# Altium PCB STC12C5A60S2_led流水灯.PcbDoc (part 1 of 2)
Units mm, origin at the board's own origin, x right, y up, seen from the top; angles counter-clockwise.
Board outline 98.73 x 79.17 mm, 2 copper layers (Top Layer, Bottom Layer); 224 components, 229 nets, 714 pads, 174 vias.
Unrouted connection lines stored in the file: 28.
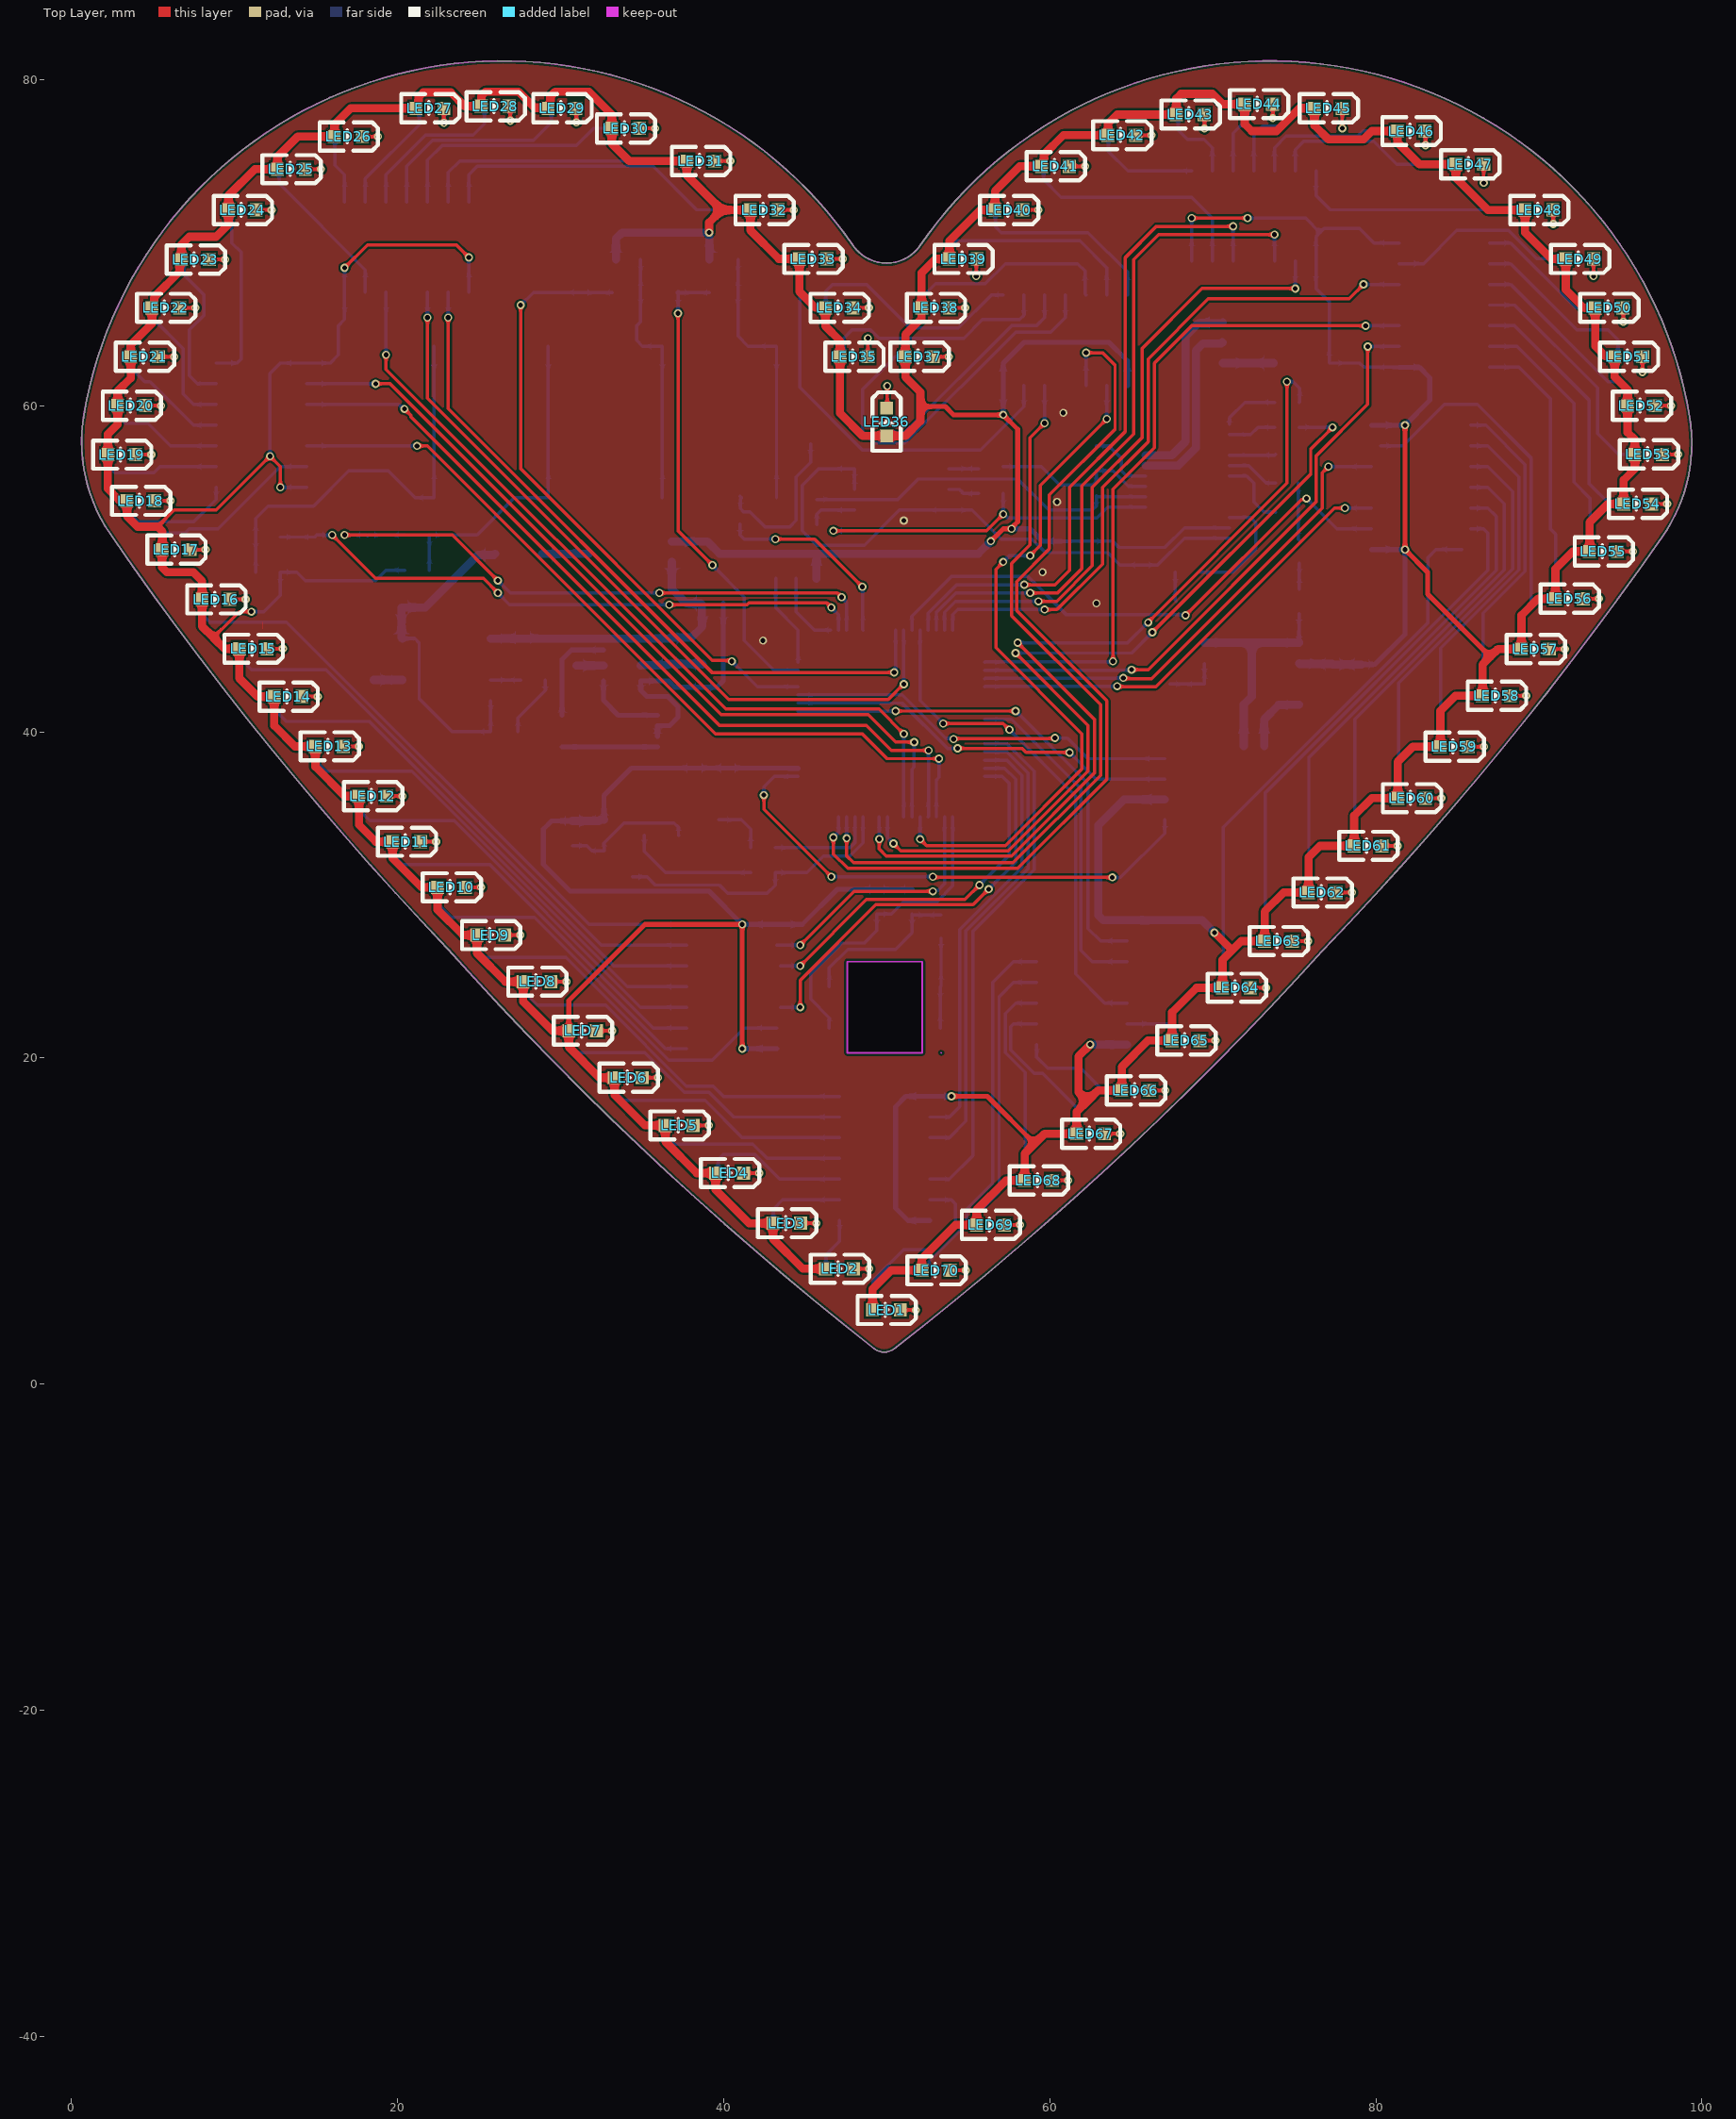
[diagram p0: Top Layer view]
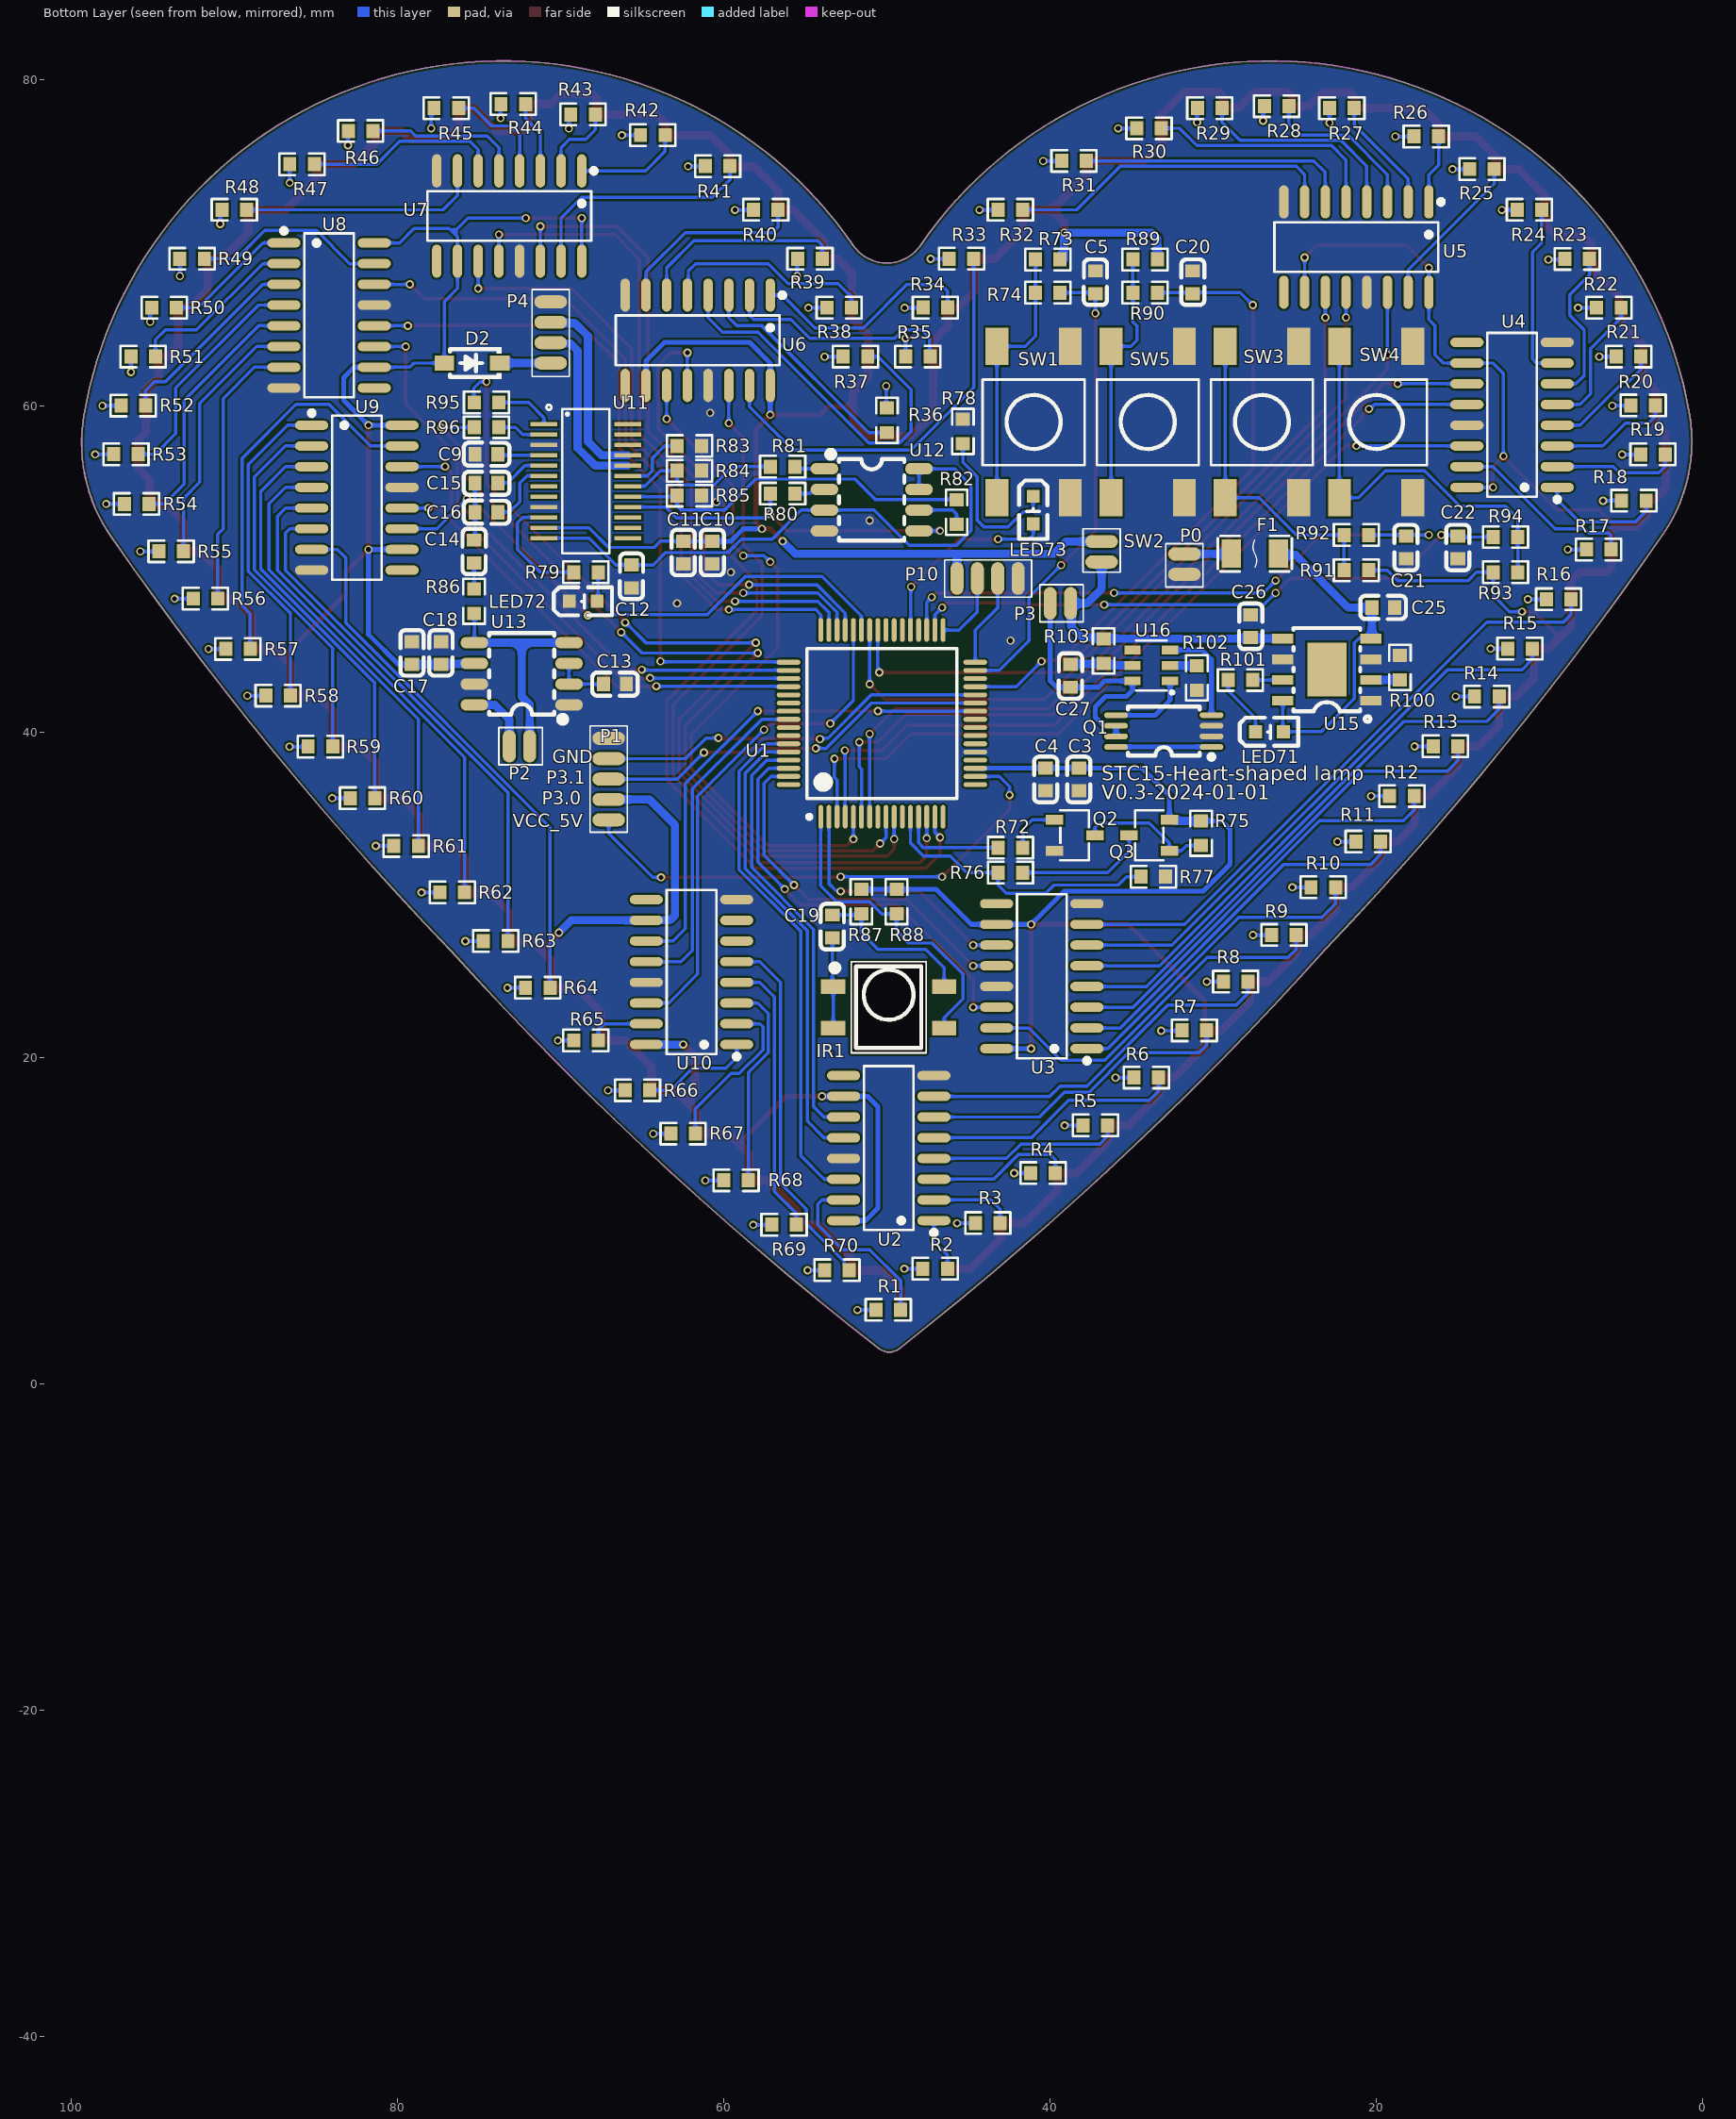
[diagram p1: Bottom Layer view, seen from below]

## Layer stack, top to bottom
Top Solder: solder mask 0.0102, Solder Resist, Dk 3.5
Top Layer: signal copper 0.0356
Dielectric 1: dielectric 0.32, FR-4, Dk 4.8
Bottom Layer: signal copper 0.0356
Bottom Solder: solder mask 0.0102, Solder Resist, Dk 3.5

## Board outline
23.087,26.689 cw(c172.671,169.496) 2.407,52.111 cw(c10.64,57.787) 0.782,59.465 cw(c26.459,55.095) 47.939,69.827 ccw(c50,71.241) 52.062,69.827 cw(c73.542,55.095) 99.241,59.328 cw(c89.374,57.703) 97.518,51.9 97.519,51.9 cw(c-72.222,170.04) 76.726,26.57 cw(c-76.625,165.323) 50.469,2.179 cw(c49.854,2.968) 49.236,2.182 cw(c177.053,164.761)
cut-out: 47.586,20.314 47.586,25.914 52.186,25.914 52.186,20.314

## Design rules (kind name [scope] priority, off if disabled: settings)
Clearance [All] p1: gap=0.12 ignorepadtopadclearanceinfootprint=FALSE
PolygonConnect [All] p1: thpad.connectstyle=Relief thpad.reliefconductorwidth=0.254 thpad.reliefentries=4 thpad.polygonreliefangle="90 Angle" thpad.airgapwidth=0.254 smdpad.connectstyle=Direct smdpad.reliefconductorwidth=0.254 smdpad.reliefentries=4 smdpad.polygonreliefangle="90 Angle" smdpad.airgapwidth=0.254 via.connectstyle=Direct via.reliefconductorwidth=0.254 via.reliefentries=4 via.polygonreliefangle="90 Angle" via.airgapwidth=0.254
RoutingVias [All] p1: holewidth=0.711 width=1.27 viastyle="Through Hole" minholewidth=0.3 minwidth=0.5 maxholewidth=0.711 maxwidth=1.27
SolderMaskExpansion [All] p1: expansion=0.102 istentingtop=FALSE
Width [All] p1: maxlimit=0.8 minlimit=0.16 preferedwidth=0.2
30 further rules are at their usual default settings.

## Components (designator, comment, footprint, x,y, rotation, side; value= is the part's Value field where it differs from the comment)
C3 "" C0603 38.227,37.084 r90 bottom value=10uF
C4 "" C0603 40.259,37.084 r90 bottom value=0.1uF
C5 "" C0603 37.211,67.564 r270 bottom value=0.1uF
C9 "" C0603 74.549,57.023 r0 bottom value=22pF
C10 "" C0603 60.706,50.989 r270 bottom value=1uF
C11 "" C0603 62.484,50.989 r270 bottom value=0.1uF
C12 "" C0603 65.659,49.53 r270 bottom value=1uF
C13 "" C0603 66.675,42.926 r0 bottom value=1uF
C14 "" C0603 75.311,51.054 r270 bottom value=0.15uF
C15 "" C0603 74.549,55.245 r0 bottom value=10uF
C16 "" C0603 74.549,53.467 r0 bottom value=10uF
C17 "" C0603 79.121,44.831 r270 bottom value=10uF
C18 "" C0603 77.343,44.831 r270 bottom value=1uF
C19 "" C0603 53.34,28.067 r90 bottom value=4.7uF
C20 "" C0603 31.242,67.564 r270 bottom value=0.1uF
C21 "" C0603 18.161,51.308 r90 bottom value=0.1uF
C22 "" C0603 14.986,51.308 r90 bottom value=0.1uF
C25 "Cap" C0603 19.558,47.625 r180 bottom value=10uF
C26 "Cap" C0603 27.686,46.482 r90 bottom value=10uF
C27 "Cap" C0603 38.735,43.434 r90 bottom value=0.1uF
D2 "BAT42W" SOD-123 75.438,62.611 r0 bottom
F1 "JK-NSMD050-13.2V" F1206 27.432,50.927 r180 bottom
IR1 "IRM-H638T/TR2" SMD-4P_IRM-H638T/TR2 49.886,23.114 r180 bottom locked
LED1 "TLMG1100-GS08" LED0603 49.987,4.553 r180 top
LED2 "TLMG1100-GS08" LED0603 47.111,7.078 r180 top
LED3 "TLMG1100-GS08" LED0603 43.883,9.872 r180 top
LED4 "TLMG1100-GS08" LED0603 40.375,12.946 r180 top
LED5 "TLMG1100-GS08" LED0603 37.287,15.867 r180 top
LED6 "TLMG1100-GS08" LED0603 34.163,18.796 r180 top
LED7 "TLMG1100-GS08" LED0603 31.362,21.674 r180 top
LED8 "TLMG1100-GS08" LED0603 28.564,24.683 r180 top
LED9 "TLMG1100-GS08" LED0603 25.73,27.54 r180 top
LED10 "TLMG1100-GS08" LED0603 23.317,30.467 r180 top
LED11 "TLMG1100-GS08" LED0603 20.563,33.266 r180 top
LED12 "TLMG1100-GS08" LED0603 18.491,36.06 r180 top
LED13 "TLMG1100-GS08" LED0603 15.824,39.108 r180 top
LED14 "TLMG1100-GS08" LED0603 13.306,42.164 r180 top
LED15 "TLMG1100-GS08" LED0603 11.165,45.096 r180 top
LED16 "TLMG1100-GS08" LED0603 8.879,48.125 r180 top
LED17 "TLMG1100-GS08" LED0603 6.426,51.173 r180 top
LED18 "TLMG1100-GS08" LED0603 4.267,54.165 r180 top
LED19 "TLMG1100-GS08" LED0603 3.1,57 r180 top
LED20 "TLMG1100-GS08" LED0603 3.7,60 r180 top
LED21 "TLMG1100-GS08" LED0603 4.5,63 r180 top
LED22 "TLMG1100-GS08" LED0603 5.8,66 r180 top
LED23 "TLMG1100-GS08" LED0603 7.62,68.961 r180 top
LED24 "TLMG1100-GS08" LED0603 10.5,72 r180 top
LED25 "TLMG1100-GS08" LED0603 13.5,74.5 r180 top
LED26 "TLMG1100-GS08" LED0603 17,76.5 r180 top
LED27 "TLMG1100-GS08" LED0603 22,78.232 r180 top
LED28 "TLMG1100-GS08" LED0603 26,78.359 r180 top
LED29 "TLMG1100-GS08" LED0603 30.099,78.232 r180 top
LED30 "TLMG1100-GS08" LED0603 34,77 r180 top
LED31 "TLMG1100-GS08" LED0603 38.6,75 r180 top
LED32 "TLMG1100-GS08" LED0603 42.5,72 r180 top
LED33 "TLMG1100-GS08" LED0603 45.5,69 r180 top
LED34 "TLMG1100-GS08" LED0603 47.1,66 r180 top
LED35 "TLMG1100-GS08" LED0603 48,63 r180 top
LED36 "TLMG1100-GS08" LED0603 50,59 r270 top
LED37 "TLMG1100-GS08" LED0603 52,63 r180 top
LED38 "TLMG1100-GS08" LED0603 53,66 r180 top
LED39 "TLMG1100-GS08" LED0603 54.7,69 r180 top
LED40 "TLMG1100-GS08" LED0603 57.5,72 r180 top
LED41 "TLMG1100-GS08" LED0603 60.363,74.676 r180 top
LED42 "TLMG1100-GS08" LED0603 64.427,76.581 r180 top
LED43 "TLMG1100-GS08" LED0603 68.618,77.851 r180 top
LED44 "TLMG1100-GS08" LED0603 72.809,78.486 r180 top
LED45 "TLMG1100-GS08" LED0603 77.089,78.232 r180 top
LED46 "TLMG1100-GS08" LED0603 82.169,76.835 r180 top
LED47 "TLMG1100-GS08" LED0603 85.763,74.803 r180 top
LED48 "TLMG1100-GS08" LED0603 90,72 r180 top
LED49 "TLMG1100-GS08" LED0603 92.5,69 r180 top
LED50 "TLMG1100-GS08" LED0603 94.3,66 r180 top
LED51 "TLMG1100-GS08" LED0603 95.5,63 r180 top
LED52 "TLMG1100-GS08" LED0603 96.284,59.995 r180 top
LED53 "TLMG1100-GS08" LED0603 96.732,57.01 r180 top
LED54 "TLMG1100-GS08" LED0603 96.05,53.975 r180 top
LED55 "TLMG1100-GS08" LED0603 93.96,51.062 r180 top
LED56 "TLMG1100-GS08" LED0603 91.861,48.164 r180 top
LED57 "TLMG1100-GS08" LED0603 89.778,45.077 r180 top
LED58 "TLMG1100-GS08" LED0603 87.4,42.214 r180 top
LED59 "TLMG1100-GS08" LED0603 84.81,39.089 r180 top
LED60 "TLMG1100-GS08" LED0603 82.197,35.933 r180 top
LED61 "TLMG1100-GS08" LED0603 79.52,33.008 r180 top
LED62 "TLMG1100-GS08" LED0603 76.721,30.15 r180 top
LED63 "TLMG1100-GS08" LED0603 74.03,27.17 r180 top
LED64 "TLMG1100-GS08" LED0603 71.451,24.307 r180 top
LED65 "TLMG1100-GS08" LED0603 68.354,21.074 r180 top
LED66 "TLMG1100-GS08" LED0603 65.278,18.015 r180 top
LED67 "TLMG1100-GS08" LED0603 62.512,15.359 r180 top
LED68 "TLMG1100-GS08" LED0603 59.322,12.497 r180 top
LED69 "TLMG1100-GS08" LED0603 56.377,9.771 r180 top
LED70 "TLMG1100-GS08" LED0603 53.048,6.985 r180 top
LED71 "TLMG1100-GS08" LED0603 26.543,40.005 r180 bottom
LED72 "TLMG1100-GS08" LED0603 68.618,48.006 r180 bottom
LED73 "TLMG1100-GS08" LED0603 41.021,53.594 r270 bottom
P0 "" STM-2P 31.75,50.907 r270 bottom
P1 "2.54*4-P排针" STM-5P 67.056,34.604 r90 bottom
P2 "" STM-2P 73.152,39.116 r180 bottom value=焊线
P3 "battery" STM-2P 39.985,47.879 r180 bottom
P4 "2.54*4-P排针" STM-4P 70.612,66.361 r270 bottom locked
P10 "串口" STM-4P 45.7,49.403 r180 bottom
Q1 "8205A" TSSOP-8 33.02,40.049 r90 bottom
Q2 "S8050" SOT-23 38.481,33.655 r0 bottom
Q3 "CJ2301 S1" SOT-23 33.909,33.655 r180 bottom
R1 "" R0603 49.911,4.561 r0 bottom value=1k
R2 "" R0603 47.035,7.086 r0 bottom value=1k
R3 "" R0603 43.806,9.88 r0 bottom value=1k
R4 "" R0603 40.421,12.946 r0 bottom value=1k
R5 "" R0603 37.211,15.875 r0 bottom value=1k
R6 "" R0603 34.087,18.804 r0 bottom value=1k
R7 "" R0603 31.142,21.701 r0 bottom value=1k
R8 "" R0603 28.611,24.683 r0 bottom value=1k
R9 "" R0603 25.654,27.548 r0 bottom value=1k
R10 "" R0603 23.241,30.475 r0 bottom value=1k
R11 "" R0603 20.486,33.274 r0 bottom value=1k
R12 "" R0603 18.415,36.068 r0 bottom value=1k
R13 "" R0603 15.748,39.116 r0 bottom value=1k
R14 "" R0603 13.208,42.164 r0 bottom value=1k
R15 "" R0603 11.176,45.104 r0 bottom value=1k
R16 "" R0603 8.802,48.133 r0 bottom value=1k
R17 "" R0603 6.35,51.181 r0 bottom value=1k
R18 "" R0603 4.191,54.173 r0 bottom value=1k
R19 "" R0603 3.024,57.013 r0 bottom value=1k
R20 "" R0603 3.624,60.013 r0 bottom value=1k
R21 "" R0603 4.511,63.008 r0 bottom value=1k
R22 "" R0603 5.724,66.008 r0 bottom value=1k
R23 "" R0603 7.667,69 r0 bottom value=1k
R24 "" R0603 10.599,72.008 r0 bottom value=1k
R25 "" R0603 13.511,74.508 r0 bottom value=1k
R26 "" R0603 16.924,76.508 r0 bottom value=1k
R27 "" R0603 22.099,78.24 r0 bottom value=1k
R28 "" R0603 26.099,78.367 r0 bottom value=1k
R29 "" R0603 30.198,78.24 r0 bottom value=1k
R30 "" R0603 33.924,77.008 r0 bottom value=1k
R31 "" R0603 38.524,75.008 r0 bottom value=1k
R32 "" R0603 42.424,72.008 r0 bottom value=1k
R33 "" R0603 45.424,69.013 r0 bottom value=1k
R34 "" R0603 47.024,66.013 r0 bottom value=1k
R35 "" R0603 48.099,63.008 r0 bottom value=1k
R36 "" R0603 49.992,59.099 r90 bottom value=1k
R37 "" R0603 51.924,63.008 r0 bottom value=1k
R38 "" R0603 52.924,66.008 r0 bottom value=1k
R39 "" R0603 54.711,69.008 r0 bottom value=1k
R40 "" R0603 57.424,72.013 r0 bottom value=1k
R41 "" R0603 60.375,74.684 r0 bottom value=1k
R42 "" R0603 64.351,76.589 r0 bottom value=1k
R43 "" R0603 68.63,77.859 r0 bottom value=1k
R44 "" R0603 72.908,78.494 r0 bottom value=1k
R45 "" R0603 77.013,78.24 r0 bottom value=1k
R46 "" R0603 82.268,76.843 r0 bottom value=1k
R47 "" R0603 85.861,74.803 r0 bottom value=1k
R48 "" R0603 90.011,72.008 r0 bottom value=1k
R49 "" R0603 92.599,69.008 r0 bottom value=1k
R50 "" R0603 94.311,66.008 r0 bottom value=1k
R51 "" R0603 95.599,63.008 r0 bottom value=1k
R52 "" R0603 96.208,60.008 r0 bottom value=1k
R53 "" R0603 96.656,57.023 r0 bottom value=1k
R54 "" R0603 96.003,53.974 r0 bottom value=1k
R55 "" R0603 93.884,51.07 r0 bottom value=1k
R56 "" R0603 91.785,48.172 r0 bottom value=1k
R57 "" R0603 89.789,45.085 r0 bottom value=1k
R58 "" R0603 87.324,42.222 r0 bottom value=1k
R59 "" R0603 84.734,39.097 r0 bottom value=1k
R60 "" R0603 82.15,35.932 r0 bottom value=1k
R61 "" R0603 79.474,33 r0 bottom value=1k
R62 "" R0603 76.644,30.158 r0 bottom value=1k
R63 "" R0603 73.983,27.17 r0 bottom value=1k
R64 "" R0603 71.404,24.307 r0 bottom value=1k
R65 "" R0603 68.453,21.082 r0 bottom value=1k
R66 "" R0603 65.289,18.023 r0 bottom value=1k
R67 "" R0603 62.493,15.367 r0 bottom value=1k
R68 "" R0603 59.245,12.505 r0 bottom value=1k
R69 "" R0603 56.3,9.779 r0 bottom value=1k
R70 "" R0603 53.059,6.993 r0 bottom value=1k
R72 "5%" R0603 42.418,32.893 r180 bottom value=10k
R73 "" R0603 40.132,68.961 r180 bottom value=2M
R74 "" R0603 40.132,66.929 r180 bottom value=4.7k
R75 "" R0603 30.734,33.782 r270 bottom value=100k
R76 "1%" R0603 42.418,31.369 r0 bottom value=10k
R77 "1%" R0603 33.655,31.115 r180 bottom value=10k
R78 "" R0603 45.339,58.42 r270 bottom value=1k
R79 "" R0603 68.453,49.784 r0 bottom value=1k
R80 "" R0603 56.388,54.61 r180 bottom value=100
R81 "" R0603 56.388,56.261 r180 bottom value=0
R82 "" R0603 45.72,53.467 r90 bottom value=0
R83 "" R0603 62.103,57.531 r180 bottom value=3.3k
R84 "" R0603 62.103,56.007 r180 bottom value=3.3k
R85 "" R0603 62.103,54.483 r180 bottom value=3.3k
R86 "" R0603 75.311,48.006 r270 bottom value=10k
R87 "" R0603 51.562,29.591 r90 bottom value=100
R88 "" R0603 49.403,29.591 r90 bottom value=2M
R89 "" R0603 34.163,68.961 r180 bottom value=2M
R90 "" R0603 34.163,66.929 r180 bottom value=4.7k
R91 "" R0603 21.209,49.911 r180 bottom value=2M
R92 "" R0603 21.209,52.07 r180 bottom value=4.7k
R93 "" R0603 12.065,49.784 r0 bottom value=2M
R94 "" R0603 12.065,51.943 r0 bottom value=4.7k
R95 "" R0603 74.549,60.198 r180 bottom value=1k
R96 "" R0603 74.549,58.674 r180 bottom value=1k